# Altium PCB Underwater_vehicle-V3.0.PcbDoc (part 1 of 2)
Units mil, origin at the board's own origin, x right, y up, seen from the top; angles counter-clockwise.
Board outline 3112.65 x 1968.5 mil, 2 copper layers (Top Layer, Bottom Layer); 71 components, 120 nets, 445 pads, 186 vias.
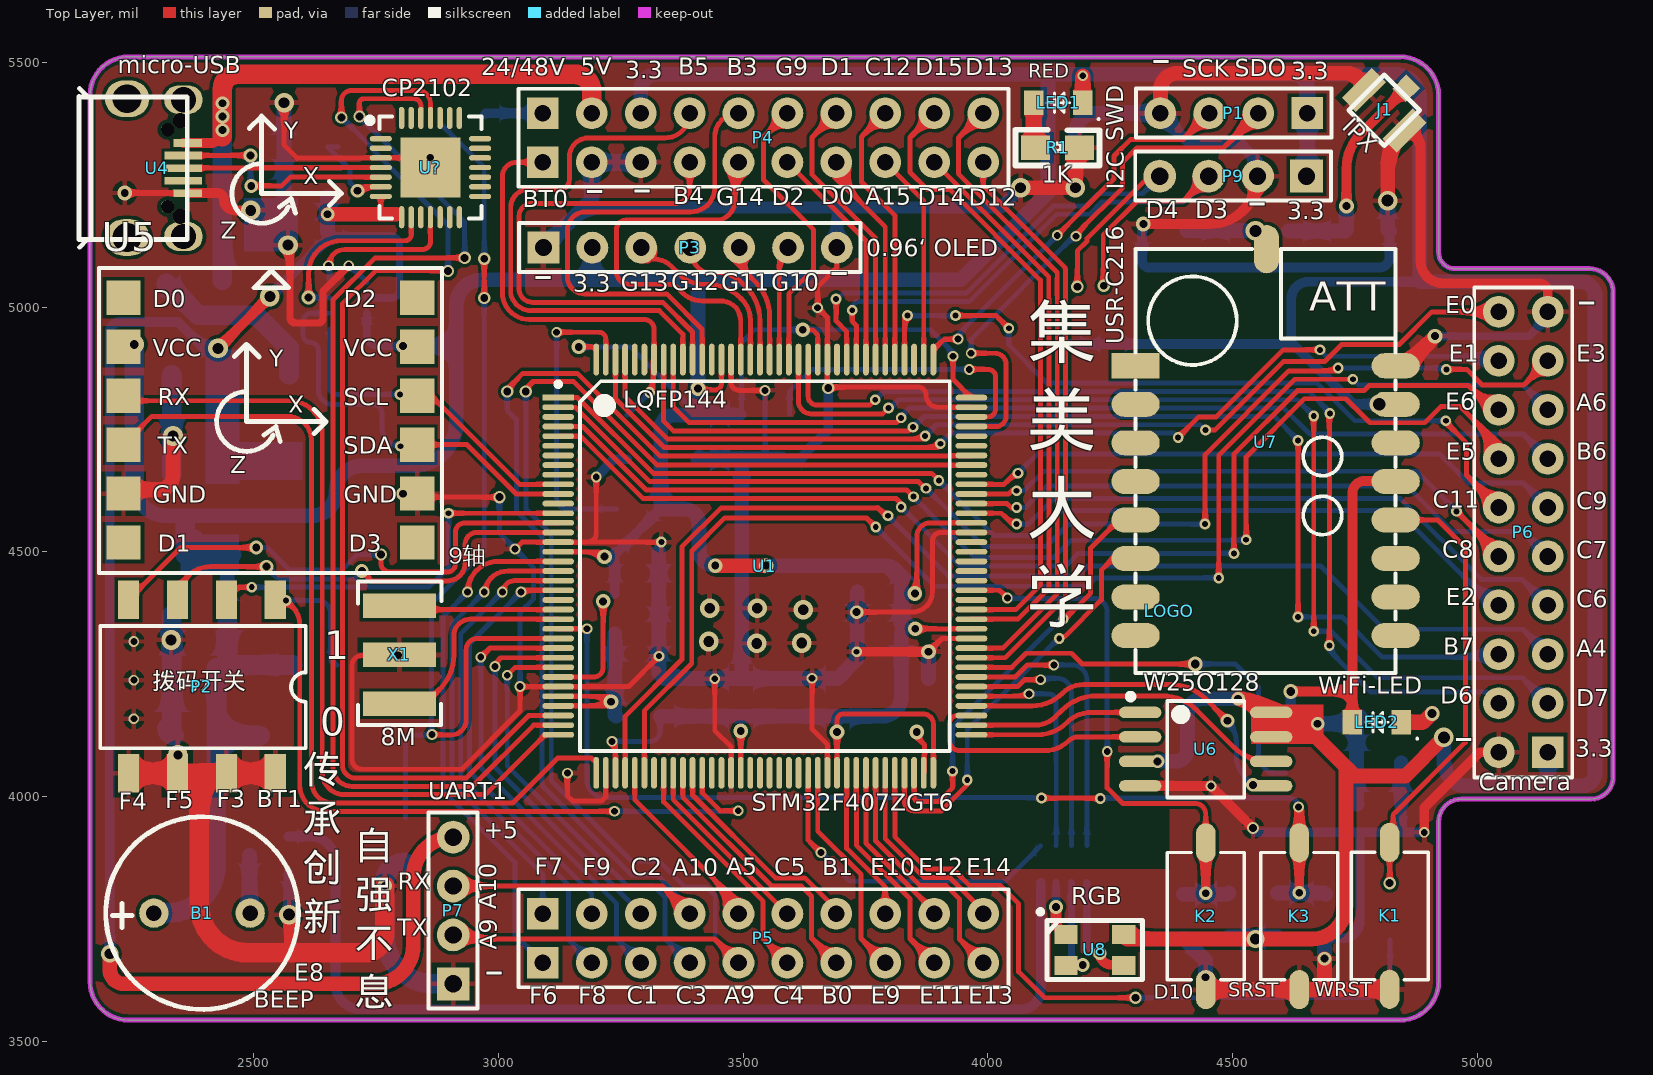
[diagram p0: Top Layer view]
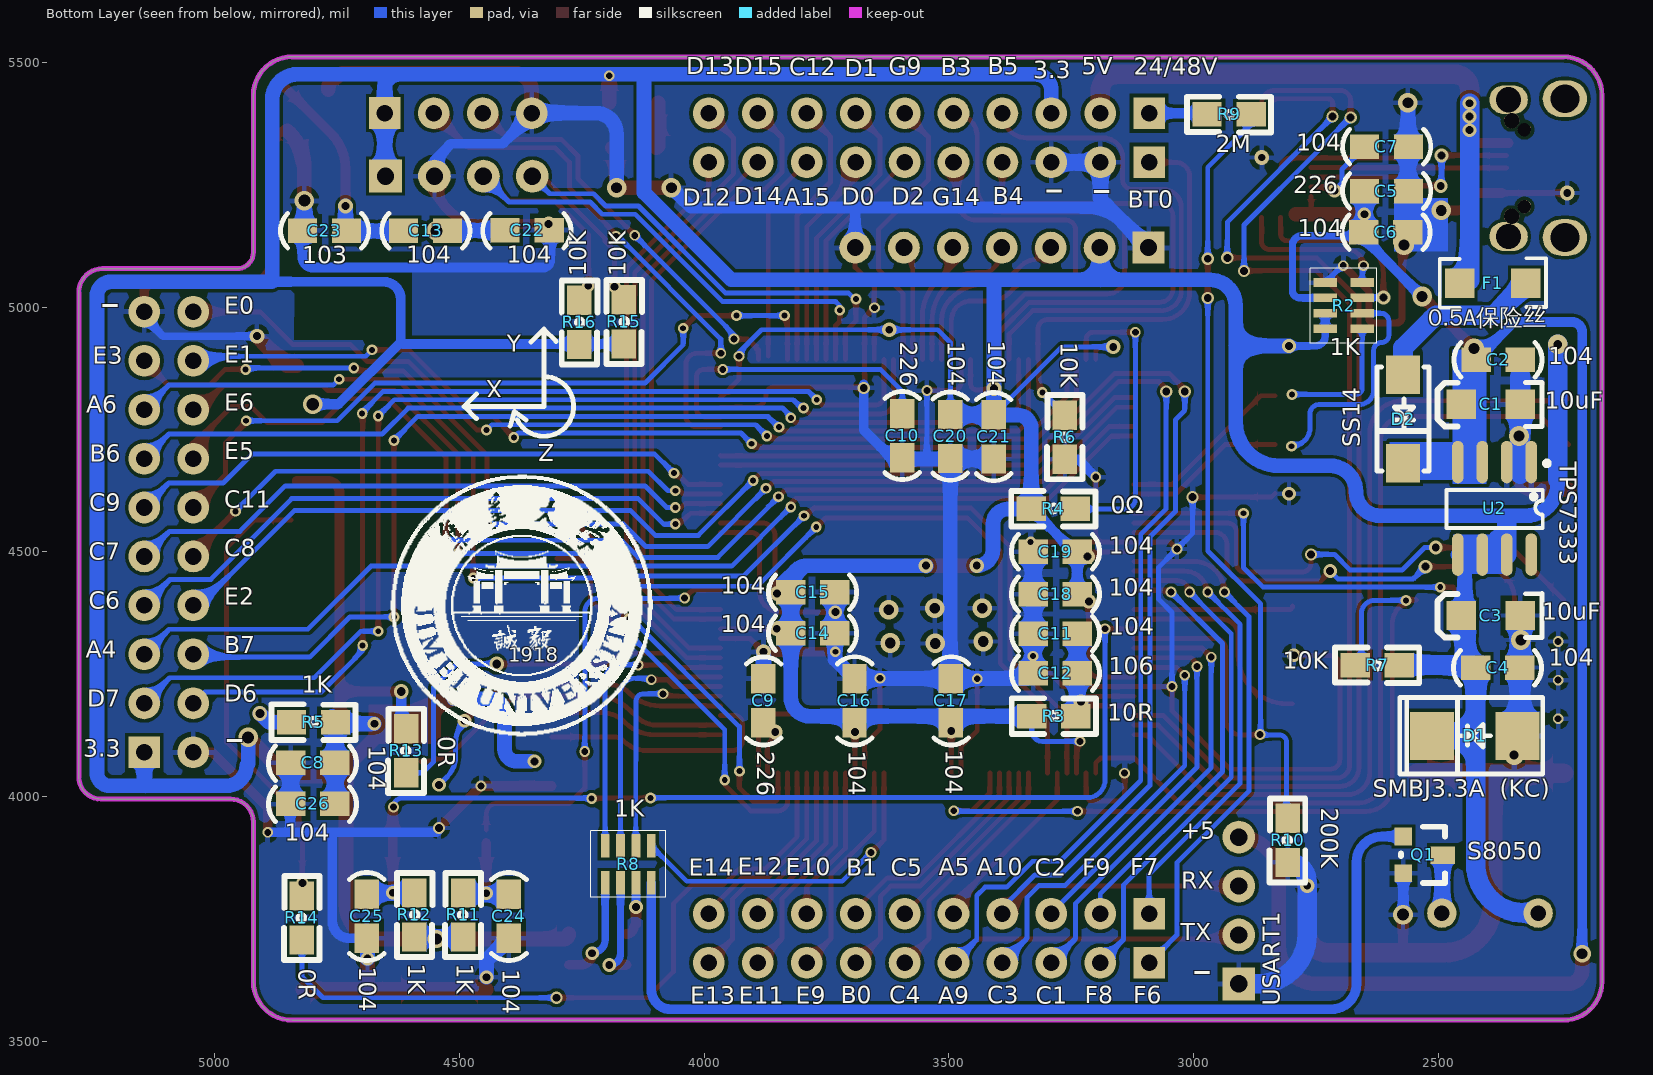
[diagram p1: Bottom Layer view, seen from below]

## Layer stack, top to bottom
Top Solder: solder mask 0.4, Solder Resist, Dk 3.5
Top Layer: signal copper 1.4
Dielectric 1: dielectric 12.6, FR-4, Dk 4.8
Bottom Layer: signal copper 1.4
Bottom Solder: solder mask 0.4, Solder Resist, Dk 3.5

## Board outline
2244.09,3543.31 cw(c2244.09,3622.05) 2165.35,3622.05 2165.35,5433.07 cw(c2244.09,5433.07) 2244.09,5511.81 4842.52,5511.81 cw(c4842.52,5433.07) 4921.26,5433.07 4921.26,5112.29 ccw(c4954.55,5112.29) 4954.55,5079 5229.57,5079 cw(c5229.57,5030.57) 5278,5030.57 5278,4040.31 cw(c5232.69,4040.31) 5232.69,3995 4968,3995 ccw(c4968,3948.26) 4921.26,3948.26 4921.26,3622.05 cw(c4842.52,3622.05) 4842.52,3543.31

## Design rules (kind name [scope] priority, off if disabled: settings)
Clearance Clearance_2 [All] p1: gap=7
ComponentClearance [All] p1: gap=0 collisioncheckmode=3 verticalgap=0 showdistances=FALSE
DiffPairsRouting [All] p1 off: maxlimit=10 minlimit=10 mostfreqgap=10 toplayer_minwidth=15 toplayer_maxwidth=15 toplayer_prefwidth=10 bottomlayer_minwidth=15 bottomlayer_maxwidth=15 bottomlayer_prefwidth=10 maxuncoupledlength=20
PolygonConnect [All] p1: connectstyle=Relief reliefconductorwidth=10 reliefentries=4 polygonreliefangle="90 Angle" airgapwidth=10
RoutingVias [All] p1: holewidth=28 width=50 viastyle="Through Hole" minholewidth=28 minwidth=50 maxholewidth=28 maxwidth=50
SolderMaskExpansion [All] p1: expansion=4
Width [All] p1: maxlimit=300 minlimit=10 preferedwidth=30
28 further rules are at their usual default settings.

## Components (designator, comment, footprint, x,y, rotation, side; value= is the part's Value field where it differs from the comment)
B1 "BEEP" BUZZER 2394.3,3762 r0 top
C1 "10uF" TAJ-A 2452.76,4801.65 r0 bottom
C2 "104" 0805C 2337.45,4893.08 r0 bottom
C3 "10uF" TAJ-A 2452.76,4370.08 r0 bottom
C4 "104" 0805C 2338.58,4263.78 r0 bottom
C5 "226" 0805C 2645.8,5237.22 r180 bottom
C6 "104" 0805C 2647,5153 r180 bottom
C7 "104" 0805C 2645.8,5327.77 r180 bottom
C8 "104" 0805C 4760,4069 r0 bottom
C9 "226" 0805C 3879,4236 r270 bottom
C10 "226" 0805C 3595,4697.24 r90 bottom
C11 "104" 0805C 3322.83,4332.68 r180 bottom
C12 "106" 0805C 3322.83,4251.97 r180 bottom
C13 "104" 0805C 4609.47,5156 r180 bottom
C14 "104" 0805C 3738,4334 r0 bottom
C15 "104" 0805C 3738,4418 r0 bottom
C16 "104" 0805C 3692.91,4236.22 r270 bottom
C17 "104" 0805C 3496,4236.22 r270 bottom
C18 "104" 0805C 3322.83,4413.39 r180 bottom
C19 "104" 0805C 3322.83,4500 r180 bottom
C20 "104" 0805C 3497,4696 r90 bottom
C21 "104" 0805C 3408,4695 r90 bottom
C22 "104" 0805C 4322,5157 r0 bottom
C23 "103" 0805C 4816,5156 r180 bottom
C24 "104" 0805C 4399.54,3795.46 r270 bottom
C25 "104" 0805C 4689.94,3795.46 r270 bottom
C26 "104" 0805C 4760,3985 r0 bottom
D1 "SMBJ3.3A  (KC)" SMBJ 2338.58,4125.98 r270 bottom
D2 "SS14" SMA/DO-214AC 2573,4855 r270 bottom
F1 "0.5A保险丝" 1206R 2390,5048 r180 bottom
J1 "IPX" IPX天线底座 4858.3,5448 r225 top
K1 "WRST" 贴片按键 4824,3612 r90 top
K2 "D10" 贴片按键 4442.7,3900 r270 top
K3 "SRST" 贴片按键 4633.7,3900 r270 top
LED1 "RED" 0805LED(RED) 4191,5413 r180 top
LED2 "WiFi-LED" 0805LED(GREEN) 4843,4150 r180 top
LOGO "JMU_LOGO" JMU_LOGO(1.35cm) 4371,4379 r180 top
P1 "SWD" "Header 4" 4653.54,5397.64 r270 top
P2 "拨码开关" 拨码开关(4位贴片) 2539.3,4398 r270 top
P3 "0.96‘ OLED" "Header 7" 3393,5122 r90 top
P4 "" "Header 10X2"#1 3090.55,5297.19 r90 top
P5 "" "Header 10X2"#1 3090.55,3661.42 r90 top
P6 "Camera" "Header 10X2"#2 5045,4990.8 r0 top
P7 "UART1" "Header 4(排母)" 2908.05,3615.93 r90 top
P9 "I2C" "Header 4(排母)" 4652.61,5268.59 r180 top
Q1 "S8050" SOT-23 2566,3916 r270 bottom
R1 "1K" 0805R#1 4183,5327 r180 top
R2 "1K" 排阻(4位贴片) 2657.48,4956.69 r0 bottom
R3 "10R" 0805R#1 3245.04,4165.35 r0 bottom
R4 "0Ω" 0805R#1 3246,4589 r0 bottom
R5 "1K" 0805R#1 4758,4153 r0 bottom
R6 "10K" 0805R#1 3264,4775 r270 bottom
R7 "10K" 0805R#1 2665.35,4267.72 r180 bottom
R8 "1K" 排阻(4位贴片) 4202,3826 r90 bottom
R9 "2M" 0805R#1 2968,5393 r180 bottom
R10 "200K" 0805R#1 2809,3951 r270 bottom
R11 "1K" 0805R#1 4493.55,3798.65 r270 bottom
R12 "1K" 0805R#1 4590.94,3717.67 r90 bottom
R13 "0R" 0805R#1 4610,4134 r270 bottom
R14 "0R" 0805R#2 4822,3797 r270 bottom
R15 "10K" 0805R#2 4164,4925 r90 bottom
R16 "10K" 0805R#2 4255,4924 r90 bottom
U1 "STM32F407ZGT6" LQFP-144 3208.66,4811.02 r0 top locked
U2 "TPS7333" SOP-8 2311,4682 r270 bottom
U4 "micro-USB" "Micro-USB (兼容牛角)" 2351,5414 r270 top
U5 "9轴加速度计模块" 9轴加速度计 2228,5027 r0 top
U6 "W25Q128" SOW-8 4393.3,4168.38 r0 top
U7 "USR-C216" USR-C216 4418,4972 r0 top
U8 "RGB" RGB-3528 4276.73,3656.3 r180 top
U? "CP2102" QFN-28 2786,5361 r0 top
X1 "8M" 三脚贴片8M晶振 2795.3,4390 r0 top

## Footprints (in the part's own frame and the unit in brackets; to place one, negate y for a bottom-side part, rotate by r counter-clockwise, add the part's x,y. Pads: shape width x height; smd on the part's side, far side on the other; paste and mask are expansions set on the pad)
9轴加速度计 [mil]
  rect 70x70 smd: 1(5.91,-7.81) 2(5.91,-107.81) 3(5.91,-207.81) 4(5.91,-307.81) 5(5.91,-407.81) 6(5.91,-507.81) 7(605.91,-507.81) 8(605.91,-407.81) 9(605.91,-307.81) 10(605.91,-207.81) 11(605.91,-107.81) 12(605.91,-7.81)
  silkscreen extent -44,-570 657,53, body extent -10,-570 622,55, height 87
0805C [mil]
  rect 60x50 smd: 1(-5,0) 2(85,0)
  silkscreen extent -50,-35 131,36, body extent -16,-26 102,29, height 37
0805LED(GREEN) [mil]
  rect 40x50 smd: 1(-2,-2) 2(98,-2)
  silkscreen extent -36,-22 71,33, body extent 7,-27 87,23, height 43
0805LED(RED) [mil]
  rect 40x50 smd: 1(-2.98,-4.95) 2(97.02,-4.95)
  silkscreen extent -37,-25 70,31, body extent 13,-25 80,11, height 35
0805R#1 [mil]
  rect 60x50 smd: 1(-4.51,1.2) 2(85.49,1.2)
  silkscreen extent -46,-36 126,37, body extent -1,-23 78,26, height 18
0805R#2 [mil]
  rect 60x50 smd: 1(0,0) 2(90,0)
  silkscreen extent -41,-37 131,36, body extent 4,-25 83,25, height 18
1206R [mil]
  rect 60x60 smd: 1(-65.9,1.2) 2(69.1,1.2)
  silkscreen extent -107,-49 110,52, body extent -63,-30 63,32, height 24
BUZZER [mil]
  round 60 hole 32 mask+0: 1(-98.43,0) 2(98.43,0)
  silkscreen extent -197,-197 197,197, body extent -240,-236 233,236, height 354
"Header 4" [mil]
  rect 65x65 hole 34: 1(0.95,-0.93)
  round 65 hole 34: 2(0.95,-100.93) 3(0.95,-200.93) 4(0.95,-300.93)
  silkscreen extent -49,-351 51,49, body extent -51,-354 49,46, height 336
"Header 4(排母)" [mm]
  rect 1.7x1.7 hole 0.9: 1(0.035,0.015)
  round 1.7 hole 0.9: 2(2.575,0.015) 3(5.115,0.015) 4(7.655,0.015)
  silkscreen extent -1.23,-1.25 8.93,1.29, body extent -1.23,-1.25 8.93,1.29, height 8.5
"Header 7" [mil]
  rect 65x65 hole 34: 1(0,301)
  round 65 hole 34: 2(0,201) 3(0,101) 4(0,1) 5(0,-98.8) 6(0,-198.8)
  round 65 hole 34 paste+0: 7(0,-298.61)
  silkscreen extent -50,-347 50,351, body extent -50,-349 50,351, height 336
"Header 10X2"#1 [mil]
  rect 65x65 hole 34: 1(-0.98,-0.2) 20(99.41,-0.2)
  round 65 hole 34: 2(-0.98,-100.2) 3(-0.98,-200.2) 4(-0.98,-300.2) 5(-0.98,-400) 6(-0.98,-500) 8(-0.98,-699.8) 10(-0.98,-900.2) 11(99.41,-900.2) 13(99.41,-699.8) 15(99.41,-500) 16(99.41,-400) 17(99.41,-300.2) 18(99.41,-200.2) 19(99.41,-100.2)
  round 65 hole 34 paste+0: 7(-0.98,-599.8) 9(-0.98,-800.2) 12(99.41,-800.2) 14(99.41,-599.8)
  silkscreen extent -51,-952 149,50, body extent -51,-950 149,50, height 114
"Header 10X2"#2 [mil]
  round 65 hole 34: 1(-0.98,-0.2) 2(-0.98,-100.2) 3(-0.98,-200.2) 4(-0.98,-300.2) 5(-0.98,-400) 6(-0.98,-500) 8(-0.98,-699.8) 10(-0.98,-900.2) 13(99.41,-699.8) 15(99.41,-500) 16(99.41,-400) 17(99.41,-300.2) 18(99.41,-200.2) 19(99.41,-100.2) 20(99.41,-0.2)
  round 65 hole 34 paste+0: 7(-0.98,-599.8) 9(-0.98,-800.2) 12(99.41,-800.2) 14(99.41,-599.8)
  rect 65x65 hole 34: 11(99.41,-900.2)
  silkscreen extent -51,-952 149,50, body extent -13,-948 493,52, height 201
IPX天线底座 [mm]
  rect 1.05x1 smd: 1(0.073,-0.048)
  rect 2.2x1.05 smd: 2(1.681,1.452) 3(1.681,-1.548)
  silkscreen extent 0.38,-1.35 2.98,1.25, body extent 0.15,-1.57 3,1.43, height 1.3
JMU_LOGO(1.35cm) [mil]
LQFP-144 [mm]
  rect 1.651x0.3 smd: 1(-2.199,0.11)
  oval 1.651x0.3 smd: 2(-2.199,-0.39) 3(-2.199,-0.89) 4(-2.199,-1.39) 5(-2.199,-1.89) 6(-2.199,-2.39) 7(-2.199,-2.89) 8(-2.199,-3.39) 9(-2.199,-3.89) 10(-2.199,-4.39) 11(-2.199,-4.89) 12(-2.199,-5.39) 13(-2.199,-5.89) 14(-2.199,-6.39) 15(-2.199,-6.89) 16(-2.199,-7.39) 17(-2.199,-7.89) 18(-2.199,-8.39) 19(-2.199,-8.89) 20(-2.199,-9.39) 21(-2.199,-9.89) 22(-2.199,-10.39) 23(-2.199,-10.89) 24(-2.199,-11.39) 25(-2.199,-11.89) 26(-2.199,-12.39) 27(-2.199,-12.89) 28(-2.199,-13.39) 29(-2.199,-13.89) 30(-2.199,-14.39) 31(-2.199,-14.89) 32(-2.199,-15.39) 33(-2.199,-15.89) 34(-2.199,-16.39) 35(-2.199,-16.89) 36(-2.199,-17.39) 73(19.251,-17.39) 74(19.251,-16.89) 75(19.251,-16.39) 76(19.251,-15.89) 77(19.251,-15.39) 78(19.251,-14.89) 79(19.251,-14.39) 80(19.251,-13.89) 81(19.251,-13.39) 82(19.251,-12.89) 83(19.251,-12.39) 84(19.251,-11.89) 85(19.251,-11.39) 86(19.251,-10.89) 87(19.251,-10.39) 88(19.251,-9.89) 89(19.251,-9.39) 90(19.251,-8.89) 91(19.251,-8.39) 92(19.251,-7.89) 93(19.251,-7.39) 94(19.251,-6.89) 95(19.251,-6.39) 96(19.251,-5.89) 97(19.251,-5.39) 98(19.251,-4.89) 99(19.251,-4.39) 100(19.251,-3.89) 101(19.251,-3.39) 102(19.251,-2.89) 103(19.251,-2.39) 104(19.251,-1.89) 105(19.251,-1.39) 106(19.251,-0.89) 107(19.251,-0.39) 108(19.251,0.11)
  oval 0.3x1.651 smd: 37(-0.224,-19.365) 38(0.276,-19.365) 39(0.776,-19.365) 40(1.276,-19.365) 41(1.776,-19.365) 42(2.276,-19.365) 43(2.776,-19.365) 44(3.276,-19.365) 45(3.776,-19.365) 46(4.276,-19.365) 47(4.776,-19.365) 48(5.276,-19.365) 49(5.776,-19.365) 50(6.276,-19.365) 51(6.776,-19.365) 52(7.276,-19.365) 53(7.776,-19.365) 54(8.276,-19.365) 55(8.776,-19.365) 56(9.276,-19.365) 57(9.776,-19.365) 58(10.276,-19.365) 59(10.776,-19.365) 60(11.276,-19.365) 61(11.776,-19.365) 62(12.276,-19.365) 63(12.776,-19.365) 64(13.276,-19.365) 65(13.776,-19.365) 66(14.276,-19.365) 67(14.776,-19.365) 68(15.276,-19.365) 69(15.776,-19.365) 70(16.276,-19.365) 71(16.776,-19.365) 72(17.276,-19.365) 109(17.276,2.085) 110(16.776,2.085) 111(16.276,2.085) 112(15.776,2.085) 113(15.276,2.085) 114(14.776,2.085) 115(14.276,2.085) 116(13.776,2.085) 117(13.276,2.085) 118(12.776,2.085) 119(12.276,2.085) 120(11.776,2.085) 121(11.276,2.085) 122(10.776,2.085) 123(10.276,2.085) 124(9.776,2.085) 125(9.276,2.085) 126(8.776,2.085) 127(8.276,2.085) 128(7.776,2.085) 129(7.276,2.085) 130(6.776,2.085) 131(6.276,2.085) 132(5.776,2.085) 133(5.276,2.085) 134(4.776,2.085) 135(4.276,2.085) 136(3.776,2.085) 137(3.276,2.085) 138(2.776,2.085) 139(2.276,2.085) 140(1.776,2.085) 141(1.276,2.085) 142(0.776,2.085) 143(0.276,2.085) 144(-0.224,2.085)
  silkscreen extent -2.32,-18.24 18.13,0.96, body extent -2.47,-19.64 19.53,2.36, height 1.6
"Micro-USB (兼容牛角)" [mm]
  round 0.8 hole 0.8: 0(0.825,-0.025) 0(5.8,-0.025)
  oval 0.47x0.7 hole 0.7: 0(1.294,-0.69)
  round 0.7 hole 0.7: 0(5.294,-0.69)
  rect 0.4x1.5 smd: 1(1.994,0.359) 5(4.594,0.359)
  rect 0.4x1.95 smd: 2(2.644,0.135) 3(3.294,0.135) 4(3.944,0.135)
  oval 1.5x2 hole 1.3: 6(6.844,0.135) 7(-0.256,0.135)
  oval 1.9x2.3 hole 1.5: 8(-0.306,-2.786) 9(6.894,-2.786)
  silkscreen extent -0.83,-5.3 7.4,0.33, body extent -0.78,-5.34 7.42,0.09, height 0.23
QFN-28 [mm] "CP2102  USB转串口芯片"
  rect 3.13x3.13 smd mask+0.051: 0(1.909,-1.918)
  oval 1.15x0.28 smd mask+0.051: 1(-0.668,-0.418) 2(-0.668,-0.918) 3(-0.668,-1.418) 4(-0.668,-1.918) 5(-0.668,-2.418) 6(-0.668,-2.918) 7(-0.668,-3.418) 15(4.486,-3.418) 16(4.486,-2.918) 17(4.486,-2.418) 18(4.486,-1.918) 19(4.486,-1.418) 20(4.486,-0.918) 21(4.486,-0.418)
  oval 0.28x1.15 smd mask+0.051: 8(0.409,-4.495) 9(0.909,-4.495) 10(1.409,-4.495) 11(1.909,-4.495) 12(2.409,-4.495) 13(2.909,-4.495) 14(3.409,-4.495) 22(3.409,0.66) 23(2.909,0.66) 24(2.409,0.66) 25(1.909,0.66) 26(1.409,0.66) 27(0.909,0.66) 28(0.409,0.66)
  silkscreen extent -1.39,-4.57 4.56,0.73, body extent -0.58,-4.42 4.42,0.58, height 1
RGB-3528 [mm]
  rect 1.2x1 smd: 1(-0.029,0.03) 2(-0.029,-1.57) 3(2.971,0.03) 4(2.971,-1.57)
  silkscreen extent -1.01,-2.87 4.42,0.76, body extent -0.32,-2.2 3.18,0.6, height 1.9
SMA/DO-214AC [mm]
  rect 2x1.75 smd: 1(-0.178,0.025) 2(4.422,0.025)
  silkscreen extent -0.58,-1.32 4.82,1.38, body extent -0.38,-1.32 4.73,1.35, height 2.12
SMBJ [mil] "TVS瞬态抑制二极管"
  rect 98x90 smd: 1(1.65,0.6) 2(1.65,-174.4)
  silkscreen extent -77,-240 80,52, body extent -50,-196 55,5, height 83
SOP-8 [mm]
  oval 2.2x0.6 smd: 1(-0.038,0.025) 2(-0.038,-1.245) 3(-0.038,-2.515) 4(-0.038,-3.785) 5(4.762,-3.785) 6(4.762,-2.515) 7(4.762,-1.245) 8(4.762,0.025)
  silkscreen extent -0.1,-4.38 3.37,0.96, body extent -0.62,-4.33 5.38,0.58, height 1.7
SOT-23 [mil]
  rect 36x36 smd: 1(-2.52,-5.16) 2(72.48,-5.16)
  rect 36x50 smd: 3(35.48,74.84)
  silkscreen extent -23,-10 92,80, body extent -22,-18 92,92, height 47
SOW-8 [mm]
  oval 2.2x0.6 smd: 1(-2.078,0.092) 2(-2.078,-1.178) 3(-2.078,-2.448) 4(-2.078,-3.718) 5(4.722,-3.718) 6(4.722,-2.448) 7(4.722,-1.178) 8(4.722,0.092)
  silkscreen extent -2.73,-4.31 3.32,1.07, body extent -1.72,-4.35 4.32,0.67, height 1.6
TAJ-A [mil]
  rect 60x60 smd: 1(0,0) 2(-120,0)
  silkscreen extent -165,-45 49,45, body extent -125,-31 9,32, height 65
USR-C216 [mm] "有人公司WIFI模组 USR-C216"
  rect 2.5x1.3 smd: 1(-2.945,-2.325)
  oval 2.5x1.3 smd: 2(-2.945,-4.325) 3(-2.945,-6.325) 4(-2.945,-8.325) 5(-2.945,-10.325) 6(-2.945,-12.325) 7(-2.945,-14.325) 8(-2.945,-16.325) 9(10.555,-16.325) 10(10.555,-14.325) 11(10.555,-12.325) 12(10.555,-10.325) 13(10.555,-8.325) 14(10.555,-6.325) 15(10.555,-4.325) 16(10.555,-2.325)
  oval 1.3x2.5 smd: 17(3.855,3.725)
  Top Layer pour cut-out: 4.611,3.725 4.611,-0.905 10.555,-0.905 10.555,3.725
  Top Layer pour cut-out: 6.755,-9.085 7.138,-9.161 7.462,-9.378 7.679,-9.702 7.755,-10.085 7.755,-10.085 7.755,-10.105 7.679,-10.488 7.462,-10.812 7.138,-11.029 6.755,-11.105 6.755,-11.105 6.372,-11.029 6.048,-10.812 5.831,-10.488 5.755,-10.105 5.755,-10.105 5.755,-10.085 5.831,-9.702 6.048,-9.378 6.372,-9.161 6.755,-9.085
  Top Layer pour cut-out: 6.755,-6.035 7.138,-6.111 7.462,-6.328 7.679,-6.652 7.755,-7.035 7.755,-7.035 7.679,-7.418 7.462,-7.742 7.138,-7.959 6.755,-8.035 6.755,-8.035 6.372,-7.959 6.048,-7.742 5.831,-7.418 5.755,-7.035 5.755,-7.035 5.755,-7.025 5.83,-6.646 6.045,-6.325 6.366,-6.11 6.745,-6.035 6.745,-6.035
  Top Layer pour cut-out: 0.015,2.305 0.891,2.131 1.634,1.634 2.131,0.891 2.305,0.015 2.305,0.015 2.13,-0.865 1.631,-1.611 0.885,-2.11 0.005,-2.285 0.005,-2.285 -0.015,-2.285 -0.891,-2.111 -1.634,-1.614 -2.131,-0.871 -2.305,0.005 -2.305,0.005 -2.305,0.025 -2.131,0.898 -1.637,1.637 -0.898,2.131 -0.025,2.305 -0.025,2.305
  silkscreen extent -2.94,-18.28 10.56,3.72, body extent -3.04,-18.19 10.53,3.72, height 2.2
三脚贴片8M晶振 [mm] "CSTCC8M00G53-RO"
  rect 3.8x1.27 smd: 1(0.06,-0.006) 2(0.06,-5.086) 3(0.06,-2.546)
  silkscreen extent -2.1,-6.18 2.24,1.26, body extent -1.72,-6.23 1.84,1.26, height 1.5
拨码开关(4位贴片) [mm]
  rect 2x1.1 smd: 1(-0.103,0.121) 2(-0.103,-2.419) 3(-0.103,-4.959) 4(-0.103,-7.499) 5(8.897,-7.499) 6(8.897,-4.959) 7(8.897,-2.419) 8(8.897,0.121)
  silkscreen extent 1.24,-8.97 7.59,1.7, body extent 0.99,-8.71 7.85,1.57, height 2.15
排阻(4位贴片) [mm]
  rect 1.22x0.45 smd: 1(-0.051,0.013) 2(1.869,0.013) 3(-0.051,-0.787) 4(1.869,-0.787) 5(-0.051,-1.587) 6(1.869,-1.587) 7(-0.051,-2.387) 8(1.869,-2.387)
  silkscreen extent -0.81,-3.14 2.64,0.76, body extent 0.1,-2.79 1.7,0.41, height 0.59
贴片按键 [mil]
  oval 80x40 smd: 1(-5.71,2.8) 2(294.29,2.8)
  silkscreen extent 14,-76 274,82, body extent 24,-69 264,77, height 98

## Part data
C1 C3: library part "Pol Cap", "极性贴片电容"
C2 C4 C5 C6 C7 C8 C13 C22 C23 C26: library part Cap1, "无极贴片电容"
C9 C10 C11 C12 C14 C15 C16 C17 C18 C19 C20 C21 C24 C25: library part C1
D1 D2: library part Diode, "二极管"
F1: library part Fuse, "保险丝"
J1: library part IPX天线座
K1: library part 轻触按键, "轻触开关"
K2 K3: library part Key(两脚贴片)
LED1 LED2: library part LED, "发光二极管"
LOGO: "LOGO"
P1 P7 P9: library part "Header 4", "排针"
P2: library part 拨码开关4, "4位拨码开关"
P3: library part "Header 7", "排针"
P4 P5 P6: library part "Header 10X2"
Q1: library part NPN, "NPN三极管"
R1 R3 R4 R6 R7 R9 R10: library part R1
R2 R8: library part Res-4, "排阻"
R5 R11 R12 R13 R14 R15 R16: library part Res, "电阻"
U1: library part STM32F407ZET6
U2: "3.3V电源芯片"
U4: "USB接口"
U5: library part 9轴加速度计
U6: "FLASHоƬ"
U?: "USB转串口芯片"
X1: library part XTAL三脚贴片晶振

## Via types
v1: diameter 22, hole 12, Top Layer to Bottom Layer, 54 vias
v2: diameter 22, hole 14, Top Layer to Bottom Layer, 42 vias
v3: diameter 28, hole 16, Top Layer to Bottom Layer, 27 vias
v4: diameter 30, hole 16, Top Layer to Bottom Layer, 18 vias
v5: diameter 25, hole 16, Top Layer to Bottom Layer, 16 vias
v6: diameter 40, hole 22, Top Layer to Bottom Layer, 15 vias
v7: diameter 40, hole 25, Top Layer to Bottom Layer, 5 vias
v8: diameter 30, hole 18, Top Layer to Bottom Layer, 3 vias
v9: diameter 40, hole 18, Top Layer to Bottom Layer, 2 vias
v10: diameter 36, hole 22, Top Layer to Bottom Layer, 2 vias
v11: diameter 30, hole 15, Top Layer to Bottom Layer, 2 vias

## Nets (pads, with @x,y where several pads share a name; then routed paths per layer and width w, separated by ;. In a path a pad name is that pad's centre, name@x,y a point inside that pad or via, vN(x,y) a via of type N, cw(c..) or ccw(c..) an arc to the next point about the centre after c; other vN are vias at no path point)
3.3V: B1.1 C3.1 C4.2 C8.1 C14.2 C15.2 C16.2 C17.2 C18.2 C19.2 C20.2 C21.2 C26.1 D1.2 LED1.1 P1.1 P3.2 P4.18 P6.11 P9.1 R2.2 R2.4 R3.2 R4.2 R5.1 R7.2 R11.2 R12.1 R15.1 R16.1 U1.17 U1.30 U1.39 U1.52 U1.62 U1.72 U1.84 U1.95 U1.108 U1.121 U1.131 U1.144 U2.5 U2.6 U2.7 U5.2 U5.11 U6.3 U6.7 U6.8 U7.15 U8.2 | length 16305.1
  Top Layer w10: U1.30@3122.09,4244.49 3194.49,4244.49 ccw(c3194.49,4264) 3214,4264 v4(3214,4399) ; U1.17@3122.09,4500.39 3206.61,4500.39 v4(3216.61,4490.39) ; v4(3164,4919) 3192,4919 3199.84,4911.16 U1.144@3199.84,4893.11 ; v2(3232,4113) 3239.21,4105.79 U1.39@3239.21,4048.62 ; v4(3408,4834) ccw(c3411,4834) 3411,4831 3443,4831 ccw(c3443,4843.75) 3455.75,4843.75 U1.131@3455.75,4893.11 ; U1.52@3495.12,4048.62 v4(3495.12,4134.12) ; v4@3630,4954 3642,4954 3652.6,4943.4 U1.121@3652.6,4893.11 ; U1.62@3691.97,4048.62 v4(3691.97,4131.97) 3691.97,4155.97 cw(c3705,4155.97) 3705,4169 3868,4169 cw(c3868,4148.18) 3888.82,4148.18 U1.72@3888.82,4048.62 ; v4(3851,4415) ccw(c3851,4419) 3855,4419 3855,4532 cw(c3882.45,4532) 3882.45,4559.45 U1.95@3966.57,4559.45 ; v4(3851.91,4342.91) U1.84@3966.57,4342.91 ; v2(3929,4900) 3929,4852.93 U1.108@3966.57,4815.35
  Top Layer w30: v4(3443,4472) v4(3547,4472) ; LED1.1@4193.98,5417.95 v2(4193.98,5472.98) ; U8.2@4276.73,3719.29 ccw(c4287.02,3719.29) 4287.02,3709 v10(4547,3709) 4662,3709 ccw(c4662,3779) 4732,3779 4732,4050 cw(c4737.3,4050) 4737.3,4055.3 ; v3(4511.6,4200) cw(c4511.6,4104.38) U6.8@4579.22,4171.99 ; 4673,4121 4673,4119.61 4737.3,4055.3 ; v7(4932,4121) 4853,4042 4750.61,4042 4737.3,4055.3
  Bottom Layer w10: v4(3164,4919) 3269,4919 C21.2@3408,4780 ; v2(3232,4113) 3309.13,4113 ccw(c3309.13,4134.39) 3330.53,4134.39 R3.2@3330.53,4164.15 ; C20.2@3497,4781 3497,4928 3523,4954 v4(3622,4954) 3883,4954 3929,4908 v2(3929,4900)
  Bottom Layer w15: R2.4@2731.07,4987.69 2731.07,4940.93 ccw(c2751,4940.93) 2751,4921 v3(2805,4921)
  Bottom Layer w20: C18.2@3237.83,4413.39 C19.2@3237.83,4500 3243.69,4500 R4.2@3331.49,4587.8 ; C20.2@3483,4780 3496,4780 ccw(c3496,4781) C20.2@3497,4781 ; C16.2@3692.69,4151 C16.2@3692.91,4151.22 ; C14.2@3826,4348 C15.2@3826,4418 ; R15.1@4164,4925 4615.89,4925 4620,4929.11 ; v7(4800,4802) 4747.11,4802 4620,4929.11 ; 4884,5052 4655,5052 ccw(c4655,5017) 4620,5017 4620,4929.11
  Bottom Layer w30: 2256,4638.96 ccw(c2320.96,4638.96) 2320.96,4574 2352.56,4574 ; 2360,4566.56 ccw(c2352.56,4566.56) 2352.56,4574 ; C3.1@2446,4364 2446,4480.51 cw(c2460,4480.51) U2.5@2460,4494.51 ; v3(2805,4921) 2914,4921 ; P3.2@3192,5122 ccw(c3192,5120) 3190,5120 3190,5056 ; P4.18@3290.75,5396.6 3290.75,5443.75 cw(c3323,5443.75) 3323,5476 4130,5476 ; R3.2@3330.53,4164.15 3784.15,4164.15 ccw(c3784.15,4203) 3823,4203 C14.2@3823,4334 ; v4(3443,4472) cw(c3443,4505) 3410,4505 3410,4557 ccw(c3379.2,4557) 3379.2,4587.8 R4.2@3331.49,4587.8 3331.49,4751.49 cw(c3360,4751.49) 3360,4780 C21.2@3408,4780 ; C20.2@3483,4780 C21.2@3408,4780 ; v4@3546,4471 cw(c3547,4471) v4(3547,4472) 3788.86,4472 cw(c3788.86,4437.86) 3823,4437.86 3823,4351 C14.2@3826,4348 ; v3@4355,4072 4383,4072 ccw(c4383,4097) 4408,4097 4408,4169 cw(c4439,4169) 4428.07,4198.01 cw(c4439,4169) 4439,4200 v3(4511.6,4200) ; R11.2@4492.34,3713.16 R12.1@4592.14,3713.16 ; P9.1@4651.07,5267.05 4652.61,5268.59 P1.1@4652.61,5396.69 4652.61,5457.84 4646.6,5463.86 ccw(c4623,5447) 4623,5476 ; v3(4674,4149) 4741.69,4149 4743.69,4147 R5.1@4760.49,4163.8 ; R5.1@4753.49,4151.8 4753.49,3986.51 ccw(c4755,3986.51) C26.1@4755,3985 ; v7(4932,4121) 4932,4067 4935,4064 ccw(c4977,4064) 4977,4022 5142,4022 ; P6.11@5144.41,4090.61 5144.41,4024.41 5142,4022 ; 2352.56,4574 2619,4574 ccw(c2619,4623) 2668,4623 cw(c2721,4623) 2721,4676 2825,4676 ccw(c2825,4765) 2914,4765 2914,4921 ; 2914,4921 2914,5004 cw(c2966,5004) 2966,5056 3190,5056 ; 3190,5056 3406,5056 ; 3406,5056 cw(c3406,5054) 3408,5054 v4(3408,4834) C21.2@3408,4780 ; 3406,5056 3945,5056 4123,5234 4123,5469 cw(c4130,5469) 4130,5476 ; 4130,5476 4623,5476 ; 4623,5476 4831,5476 cw(c4831,5424) 4883,5424 4883,5053 4884,5052 5212,5052 cw(c5212,5023) 5241,5023 5241,4049 cw(c5214,4049) 5214,4022 5142,4022
  Bottom Layer w40: 2256,4648 v9(2256,4924) ; B1.1@2295.87,3762 2323.58,3762 ccw(c2323.58,3862) 2423.58,3862 2423.58,4124.34 ; U2.7@2360,4494.51 2360,4566.56 ; 2378,4494.51 2378,4526 ; C4.2@2423.58,4263.78 2423.58,4124.34 ; C3.1@2446,4364 2446,4262 cw(c2452.92,4262) 2452.92,4268.92 R7.2@2579.87,4268.92 ; D1.2@2512.98,4124.34 2423.58,4124.34
  other v3: 4347,4072
5.0V: C1.1 C2.2 C5.1 C6.1 D2.2 P7.4 R2.6 U2.3 U2.4 U?.7 U?.8 | length 3440.1
  Top Layer w10: U?.7@2759.68,5226.45 2759.68,5191.32 ccw(c2761,5191.32) 2761,5190
  Top Layer w20: v6@2426,4916 v6(2427,4916) v6(2533,5022)
  Top Layer w30: v10(2206,3678.69) 2206,3646.65 ccw(c2235.34,3646.65) 2235.34,3617.31 2747.31,3617.31 ccw(c2747.31,3696) 2826,3696 2826,3835.85 cw(c2907.46,3835.85) P7.4@2907.46,3917.31 ; v3(2651,5190) 2761,5190 2791,5190
  Bottom Layer w15: C6.1@2652,5153 ccw(c2659,5153) 2659,5146 2779,5146 cw(c2779,5127) 2798,5127 2798,5034.59 cw(c2782.6,5034.59) 2782.6,5019.19 R2.6@2731.07,5019.19
  Bottom Layer w20: v10(2206,3678.69) 2205.95,4949 cw(c2226.95,4949) 2226.95,4970 2345.53,4970 C2.2@2422.45,4893.08 ; C1.1@2452.76,4811.65 C1.1@2470,4811.65 ; v6(2533,5022) 2652,5141 C6.1@2652,5153
  Bottom Layer w30: C5.1@2650.8,5225.65 2650.8,5154.2 ccw(c2652,5154.2) C6.1@2652,5153
ADC0(C1): P5.3 U1.27 | length 925.7
  Top Layer w10: v2(2964,4285) 2982.54,4303.54 U1.27@3122.09,4303.54
  Bottom Layer w10: v2(2964,4285) 2964,4059 3241,3782 3241,3710.18 P5.3@3290.75,3660.43
ADC1(C2): P5.18 U1.28 | length 775
  Top Layer w10: v2(2993,4266) 2989,4266 2988,4267 3004.86,4283.86 U1.28@3122.09,4283.86
  Bottom Layer w10: v2(2993,4266) 2993,4060 3290.75,3762.25 P5.18@3290.75,3760.83
ADC2(C3): P5.4 U1.29 | length 871.8
  Top Layer w10: 3026.5,4256.5 3034.17,4264.17 U1.29@3122.09,4264.17
  Bottom Layer w10: v2(3018,4248) 3018,4063 3263,3818 3316,3818 3340,3794 3340,3711.18 P5.4@3390.75,3660.43
ADC3(C4): P5.6 U1.44 | length 492.9
  Top Layer w10: U1.44@3337.64,4048.62 3337.64,3989.32 3541,3785.96 3541,3709.98 P5.6@3590.55,3660.43
ADC4(C5): P5.15 U1.45 | length 380.8
  Top Layer w10: U1.45@3357.32,4048.62 3357.32,3993.68 3581,3770 P5.15@3590.55,3770
BEEP(E8): R8.8 U1.59 | length 677.5
  Top Layer w10: U1.59@3632.91,4048.62 3632.91,3911.09 3658,3886 v2(3659,3886)
  Bottom Layer w10: v2(3659,3886) 3718,3827 4035.42,3827 R8.8@4108.01,3899.59
BOMA1(F5): P2.3 U1.15 | length 915
  Top Layer w10: P2.3@2344.06,4402.06 cw(c2412.01,4402.06) 2412.01,4470 v3(2526,4470) ; v3(2721,4461) 2741,4441 2895.58,4441 ccw(c2895.58,4477.42) 2932,4477.42 2932,4516 cw(c2955.76,4516) 2955.76,4539.76 U1.15@3122.09,4539.76
  Bottom Layer w10: v3(2526,4470) 2551,4445 2705,4445 v3(2721,4461)
BOMA2(F4): P2.4 U1.14 | length 1068.3
  Top Layer w10: P2.4@2244.06,4402.06 2351.01,4509 v3(2505,4509) ; v5(2760,4495) 2760,4477 ccw(c2778.2,4477) 2778.2,4458.8 2895.58,4458.8 ccw(c2895.58,4475.21) 2912,4475.21 2912,4540 cw(c2931.45,4540) 2931.45,4559.45 U1.14@3122.09,4559.45
  Bottom Layer w10: v3(2505,4509) 2528,4509 2574,4463 2680,4463 2712,4495 v5(2760,4495)
BOMA3(F3): P2.2 U1.13 | length 814.5
  Top Layer w10: P2.2@2444.06,4402.06 2470.01,4428 v1(2496,4428) ; v1(2898,4579.13) U1.13@3122.09,4579.13
  Bottom Layer w10: v1@2498,4428 2858,4428 2898,4468 v1(2898,4579.13)
BOOT0: P4.1 R6.1 U1.138 | length 888
  Top Layer w10: P4.1@3090.75,5296.2 3037.11,5296.2 ccw(c3037.11,5267.09) 3008,5267.09 3008,5030 ccw(c3063,5030) 3063,4975 3298,4975 cw(c3298,4955.05) 3317.95,4955.05 U1.138@3317.95,4893.11 3316.17,4891.33 3316.17,4833.17 v1(3309,4826)
  Bottom Layer w10: R6.1@3262.8,4779.51 3309.28,4826 v1(3309,4826)
BOOT1: P2.1 R7.1 U1.48 | length 1712.4
  Top Layer w10: v1@2566,4402.06 P2.1@2544.06,4402.06 cw(c2544.06,4352.12) 2594,4352.12 2594,4022.98 ccw(c2646.98,4022.98) 2646.98,3970 v2(3237,3970) ; U1.48@3416.38,4048.62 3416.38,4007.66 3453.04,3971 v2(3490,3971)
  Bottom Layer w10: v1(2566,4401) 2630.05,4401 cw(c2630.05,4374.05) 2657,4374.05 2657,4281.79 ccw(c2669.87,4281.79) R7.1@2669.87,4268.92 cw(c2669.87,4273.79) R7.1@2665,4273.79 ; v2(3237,3970) 3489,3970 v2(3490,3971)
CNA1_RX(D0): P4.7 U1.114 | length 444.5
  Top Layer w10: P4.7@3690.35,5296.2 3690.35,5264.65 3790.39,5164.61 U1.114@3790.39,4893.11
CNA1_TX(D1): P4.14 U1.115 | length 577.7
  Top Layer w10: P4.14@3690.35,5396.6 3641,5347.24 3641,5271 3770.71,5141.29 U1.115@3770.71,4893.11
CP2102_RST: R2.5 U?.9 | length 383.8
  Top Layer w10: v3(2612,5020) 2612,5069 cw(c2679,5069) 2679,5136 2809.1,5136 ccw(c2809.1,5148.9) 2822,5148.9 2822,5184.03 U?.9@2821.79,5184.03
  Bottom Layer w10: v3(2612,5020) 2654.67,5020 R2.5@2655.48,5019.19
CP2102_SUS: R2.7 U?.11 | length 321.9
  Top Layer w10: v2(2653,5085) cw(c2686,5085) 2654.35,5094.35 cw(c2686,5085) 2686,5118 2845,5118 ccw(c2845,5134) 2861,5134 2861,5184.03 U?.11@2861.16,5184.03
  Bottom Layer w10: v2(2653,5085) cw(c2653,5082.52) 2655.48,5082.52 R2.7@2655.48,5050.68
D+: U4.3 U?.4 | length 579.9
  Top Layer w10: U4.3@2360.62,5284.71 2482.1,5284.71 2482.52,5284.29 2678.58,5284.29 cw(c2679.8,5284.29) 2679.8,5285.5 ; 2500.34,5284.7 ccw(c2500.34,5285.5) 2501.14,5285.5 2679.8,5285.5 ; U?.4@2759.68,5285.5 2679.8,5285.5
D-: U4.2 U?.5 | length 479.7
  Top Layer w10: U4.2@2360.61,5310.29 v3(2493.29,5310.29) v3@2495.29,5310.29 ; v3@2493,5248 v3(2495,5248) 2557,5248 2574.82,5265.82 2697,5265.82 U?.5@2759.68,5265.82
  Bottom Layer w10: v3(2493.29,5310.29) 2493.29,5249.71 v3(2495,5248) v3@2495,5256
DAC2(A5): P5.16 U1.41 | length 359.4
  Top Layer w10: U1.41@3278.58,4048.62 3278.58,3993.42 3490.55,3781.45 P5.16@3490.55,3777
DCMI_D0(C6): P6.14 U1.96 | length 1298.8
  Top Layer w10: U1.96@3966.57,4579.13 4027.87,4579.13 4050,4557 v1(4059,4557)
  Bottom Layer w10: v1(4059,4557) 4083,4557 4135,4609 4843,4609 5008,4444 5091.41,4444 P6.14@5144.41,4391
DCMI_D1(C7): P6.15 U1.97 | length 1259.4
  Top Layer w10: U1.97@3966.57,4598.82 4039.18,4598.82 4048,4590 v1@4059,4590
  Bottom Layer w10: v1(4059,4591) 4077,4591 4121,4635 4856,4635 4949,4542 5093.21,4542 P6.15@5144.41,4490.8
DCMI_D2(C8): P6.6 U1.98 | length 1174.3
  Top Layer w10: U1.98@3966.57,4618.5 4042.5,4618.5 v1@4051,4627 ; v1@4050,4627 v1@4051,4627 ; v1@4059,4627 v1@4051,4627 ; v1(4958,4583) 5044.02,4496.98 P6.6@5044.02,4490.8
  Bottom Layer w10: v1(4059,4625) 4074,4625 4114,4665 4876,4665 v1(4958,4583)
DCMI_D3(C9): P6.16 U1.99 | length 1248.7
  Top Layer w10: U1.99@3966.57,4638.19 4033.19,4638.19 4056,4661 v1(4062,4661)
  Bottom Layer w10: v1(4062,4661) 4101,4700 4924,4700 4983,4641 5094.21,4641 P6.16@5144.41,4590.8
DCMI_D4(C11): P6.5 U1.112 | length 1533.4
  Top Layer w10: U1.112@3829.76,4893.11 3829.76,4976.76 v1(3836,4983) ; v1(3934,4983) 4017,4983 v1(4043,4957) ; v1(4936,4768) 4933,4768 4978,4723 4978,4656.82 P6.5@5044.02,4590.8 P6.5@5049.8,4590.8
  Bottom Layer w10: v1(3836,4983) v1(3934,4983) ; v1(4043,4957) 4043,4923 4121,4845 4673,4845 4750,4768 v1(4936,4768)
DCMI_D5(B6): P6.17 U1.136 | length 1953.7
  Top Layer w10: U1.136@3357.32,4893.11 3357.32,4796.68 3389.59,4764.41 3813.41,4764.41 v1(3823,4774)
  Bottom Layer w10: v1(3823,4774) 3823,4777 3840,4794 4605,4794 4658,4741 5094.02,4741 P6.17@5144.41,4690.61
DCMI_D6(E5): P6.4 U1.4 | length 2360.1
  Top Layer w10: U1.4@3122.09,4756.3 3172.62,4756.3 3302.36,4626.56 3834.44,4626.56 v1(3848,4613) ; v1(4528,4525) 4528,4694 4647,4813 4732,4813 4780.98,4764.02 4893.02,4764.02 4926,4797 4966,4797 5044.02,4718.98 P6.4@5044.02,4690.61
  Bottom Layer w10: v1(3848,4613) 3972,4489 4135,4489 4170,4524 v1@4528,4524
DCMI_D7(E6): P6.3 U1.5 | length 2327.6
  Top Layer w10: U1.5@3122.09,4736.61 3168.26,4736.61 3295.32,4609.56 3812.44,4609.56 3825,4597 v1@3825,4593 ; v1(4503,4497) 4503,4699.96 4633.04,4830 4769.02,4830 4779,4839.98 4982.63,4839.98 5032,4790.61 P6.3@5020.39,4790.61
  Bottom Layer w10: v1(3823,4592) 3944,4471 4159,4471 4185,4497 v1(4503,4497)
DCMI_HREF(A4): P6.13 U1.40 | length 2456
  Top Layer w10: U1.40@3258.9,4048.62 3258.9,4164.18 3375,4280.28 3375,4510.28 3454.27,4589.56 3775,4589.56 ; 3775,4591 3790,4576 v1@3800,4576
  Bottom Layer w10: v1(3796,4574) 3919,4451 4184,4451 4204,4471 4681,4471 4810,4342 5093.41,4342 P6.13@5144.41,4291
DCMI_PCLK(A6): P6.18 U1.42 | length 2676.7
  Top Layer w10: U1.42@3298.27,4048.62 3298.27,4175.27 3395,4272 3395,4502 3462.56,4569.56 3752.44,4569.56 v1(3771,4551) ; v1(4472,4447) 4472,4698 4627,4853 v1(4746,4853)
  Bottom Layer w10: v1(3771,4551) 3892,4430 4203,4430 4220,4447 v1(4472,4447) ; v1(4746,4853) 4758,4841 5094.02,4841 P6.18@5144.41,4790.61
DCMI_PWDN(E1): P6.2 U1.142 | length 2030.5
  Top Layer w10: U1.142@3239.21,4893.11 3239.21,4812.79 3338.59,4713.41 3897.41,4713.41 v1@3903,4719 ; v1(4389,4734) 4431,4776 4466.96,4776 4603.96,4913 v1(4679,4913) ; P6.2@5038.39,4890.61 P6.2@5044.02,4890.61
  Bottom Layer w10: v1(3903,4721) 3925,4743 4380,4743 v1(4389,4734) ; v1(4679,4913) 4692,4900 5034.62,4900 P6.2@5044.02,4890.61
DCMI_RESET(E2): P6.7 U1.1 | length 2140
  Top Layer w10: U1.1@3122.09,4815.35 3161.65,4815.35 3316.44,4660.56 3885.44,4660.56 v1(3900,4646)
  Bottom Layer w10: v1(3900,4646) 4012,4534 4100,4534 4151,4585 4837,4585 5031,4391 P6.7@5044.02,4391
DCMI_SCL(D6): P6.9 U1.122 | length 2060.4
  Top Layer w10: U1.122@3632.91,4893.11 3632.91,4818.09 ccw(c3651,4818.09) 3651,4800 3759,4800 v1(3770,4811) ; v1(4698,4309) 4698,4780 v1@4701,4783
  Bottom Layer w10: v1(3770,4811) 3787,4828 4656,4828 v1@4701,4783 ; v1(4698,4309) 4698,4298 4782,4214 5020.62,4214 P6.9@5044.02,4190.61
  other v1: 4699,4783
DCMI_SDA(D7): P6.12 U1.123 | length 2157.7
  Top Layer w10: U1.123@3613.23,4893.11 3613.23,4807.77 ccw(c3638.76,4807.77) 3638.76,4782.24 3785.24,4782.24 v1(3797,4794) ; v1(4666,4338) v1(4666,4778)
  Bottom Layer w10: v1(3797,4794) 3801,4794 3818,4811 4633,4811 v1(4666,4778) ; v1(4666,4338) 4702,4338 4797,4243 5092.02,4243 P6.12@5144.41,4190.61
DCMI_VSYNC(B7): P6.8 U1.137 | length 2270.4
  Top Layer w10: U1.137@3337.64,4893.11 3337.64,4767.36 3357.59,4747.41 3838.13,4747.41 3838.96,4748.24 3840.62,4748.24 v1(3847.38,4755) ; v1(4634,4367) v1(4634,4728)
  Bottom Layer w10: v1(3847.38,4755) 3848,4755 3870,4777 4585,4777 v1(4634,4728) ; v1(4634,4367) 4724,4367 4806,4285 5038.02,4285 P6.8@5044.02,4291
DCMI_XCLK(E3): P6.19 U1.2 | length 2412.5
  Top Layer w10: U1.2@3122.09,4795.67 3157.29,4795.67 3309.4,4643.56 3858.44,4643.56 3872,4630 v1(3874,4630) ; v1(4444,4557) 4444,4699 4615,4870 4710,4870 v1(4716,4876) ; v1(4937,4873) 4979,4873 5011,4841 5094.8,4841 P6.19@5144.41,4890.61
  Bottom Layer w10: v1(3874,4630) 3993,4511 4119,4511 4165,4557 v1(4444,4557) ; v1(4716,4876) 4934,4876 v1(4937,4873) v1@4939,4871
E10: P5.13 U1.63 | length 320.4
  Top Layer w10: U1.63@3711.65,4048.62 3711.65,3894.39 3790.35,3815.69 P5.13@3790.35,3760.83
E12: P5.12 U1.65 | length 345.7
  Top Layer w10: U1.65@3751.02,4048.62 3751.02,3905.02 3858,3798.04 ; 3858,3798 3890.75,3765.25 P5.12@3890.75,3760.83